# Altium PCB PCB1.PcbDoc (part 1 of 2) (continued)
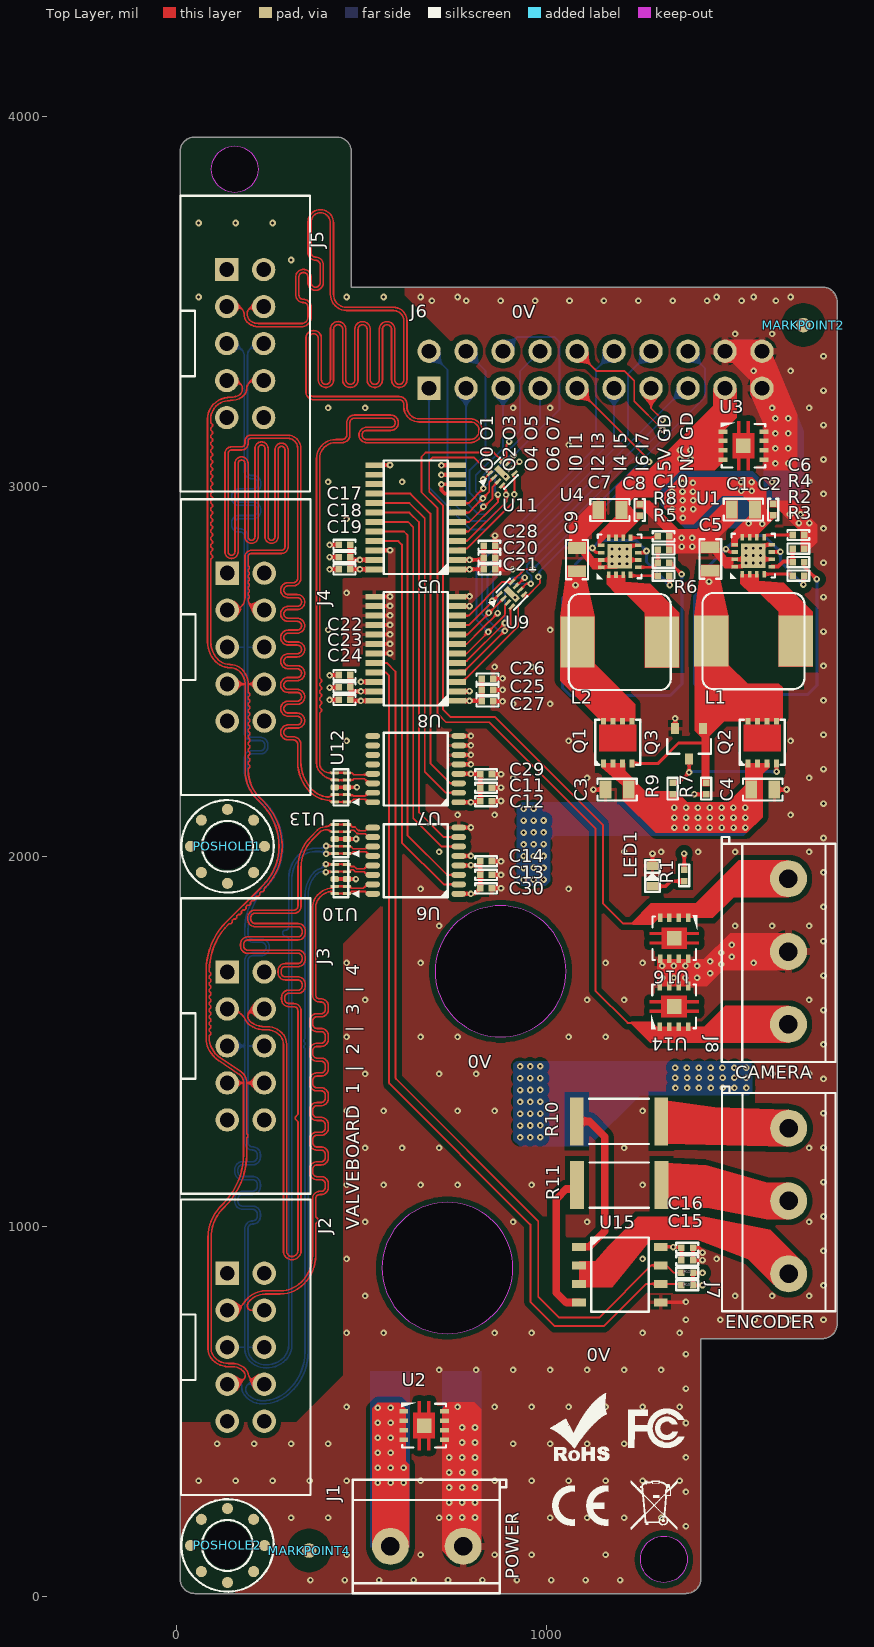
[diagram p0: Top Layer view]
## Footprints (in the part's own frame and the unit in brackets; to place one, negate y for a bottom-side part, rotate by r counter-clockwise, add the part's x,y. Pads: shape width x height; smd on the part's side, far side on the other; paste and mask are expansions set on the pad) (continued)
  rect 0.5x0.2 smd: 1(-0.595,0.6) 2(-0.595,0.2) 3(-0.595,-0.2) 4(-0.595,-0.6) 5(0.595,-0.6) 6(0.595,-0.2) 7(0.595,0.2) 8(0.595,0.6)
  rect 0.4x1.2 smd: 9(0,0)
  silkscreen extent -1.52,-0.85 0.65,0.85
TVS0701 [mm] "SON, 8-Leads, Body 3.00x3.00mm, Pitch 0.65mm, Thermal Pad 1.20x0.40mm, IPC High Density"
  rect 0.6x0.31 smd: 1(-1.4,0.975) 2(-1.4,0.325) 3(-1.4,-0.325) 4(-1.4,-0.975) 5(1.4,-0.975) 6(1.4,-0.325) 7(1.4,0.325) 8(1.4,0.975)
  rect 1x1 smd: 9(-0.003,-0.003)
  Top Layer region: 0.21,0.875 0.44,0.875 0.44,1.7 0.21,1.7
  Top Layer region: -0.44,0.875 -0.21,0.875 -0.21,1.7 -0.44,1.7
  Top Layer region: -0.21,-0.875 -0.44,-0.875 -0.44,-1.7 -0.21,-1.7
  Top Layer region: 0.44,-0.875 0.21,-0.875 0.21,-1.7 0.44,-1.7
  Top Layer region: -0.751,-0.887 0.749,-0.887 0.749,0.889 -0.751,0.889
  silkscreen extent -1.57,-1.5 1.5,1.57
TVS1401 [mm] "SON, 8-Leads, Body 3.00x3.00mm, Pitch 0.65mm, Thermal Pad 1.20x0.40mm, IPC High Density"
  rect 0.6x0.31 smd: 1(-1.4,0.975) 2(-1.4,0.325) 3(-1.4,-0.325) 4(-1.4,-0.975) 5(1.4,-0.975) 6(1.4,-0.325) 7(1.4,0.325) 8(1.4,0.975)
  rect 1x1 smd: 9(-0.003,-0.003)
  Top Layer region: -0.75,-0.887 0.75,-0.887 0.75,0.889 -0.75,0.889
  Top Layer region: 0.44,-0.875 0.21,-0.875 0.21,-1.7 0.44,-1.7
  Top Layer region: -0.21,-0.875 -0.44,-0.875 -0.44,-1.7 -0.21,-1.7
  Top Layer region: -0.44,0.875 -0.21,0.875 -0.21,1.7 -0.44,1.7
  Top Layer region: 0.21,0.875 0.44,0.875 0.44,1.7 0.21,1.7
  silkscreen extent -1.57,-1.5 1.5,1.57
WSD30L40DN [mm]
  rect 0.35x0.47 smd: D(-0.975,1.445) D(-0.325,1.445) D(0.325,1.445) D(0.975,1.445)
  rect 0.35x0.55 smd: G(0.975,-1.445) S(-0.975,-1.445) S(-0.325,-1.445) S(0.325,-1.445)
  Top Layer region: -1.3,-0.62 1.3,-0.62 1.3,1.22 -1.3,1.22
  silkscreen extent -1.55,-1.55 1.55,1.55

## Part data
C1 C2 C3 C4 C5 C6 C7 C8 C9 C10 C11 C12 C13 C14 C15 C16 C17 C18 C19 C20 C21 C22 C23 C24 C25 C26 C27 C28 C29 C30: voltage=25V, precision=5%
J1: Supplier Part Number 1=C474881, Supplier 1=LCSC, Supplier 2=LCSC, Supplier 3=LCSC, Supplier Part Number 2=C225477, Supplier Part Number 3=C20079
J2 J3 J4 J5: Supplier Part Number 1=C225520, Supplier 1=LCSC, Supplier 2=LCSC, Supplier Part Number 2=C5665
J6: Supplier Part Number 1=C124359, Supplier 1=LCSC, Supplier 2=LCSC, Supplier Part Number 2=C3405
J7 J8: Supplier Part Number 1=C474884, Supplier 1=LCSC, Supplier 2=LCSC, Supplier Part Number 2=C609572
Q3: Supplier Part Number 1=C725128, Supplier 1=LCSC
U1 U4: Supplier Part Number 1=C122479, Supplier 1=LCSC
U2 U14 U16: Supplier Part Number 1=C1849891, Supplier 1=LCSC
U3: Supplier Part Number 1=C2873147, Supplier 1=LCSC
U5 U8: Supplier Part Number 1=C7859, Supplier 1=LCSC
U6 U7: Supplier Part Number 1=C87097, Supplier 1=LCSC
U9 U11: Supplier Part Number 1=C2867469, Supplier 1=LCSC
U10 U12 U13: Supplier Part Number 1=C553132, Supplier 1=LCSC
L1 L2: Code_IEC=1005, Code_JEITA=0402, LatestRevisionDate=29-May-2009, LatestRevisionNote="IPC-7351 Footprint Added.", PackageDescription="Chip Inductor", PackageReference=0402-A, Published=8-Jun-2000, Publisher="Altium Limited"
R1 R2 R3 R4 R5 R6 R7 R8 R9 R10 R11 R12 R13: precision=1%

## Via types
v1: diameter 17.72, hole 7.87, Top Layer to Bottom Layer, tented both sides, 509 vias

## Nets (pads, with @x,y where several pads share a name; then routed paths per layer and width w, separated by ;. In a path a pad name is that pad's centre, name@x,y a point inside that pad or via, vN(x,y) a via of type N, cw(c..) or ccw(c..) an arc to the next point about the centre after c; other vN are vias at no path point)
+3.3V: C3.2 C4.2 C11.2 C12.2 C13.2 C14.2 C15.2 C16.2 C17.2 C18.2 C19.2 C22.2 C23.2 C24.2 C29.2 C30.2 Q1.S Q2.S R1.2 R9.2 R12.2 R13.2 U5.23 U5.24 U6.1 U6.4 U7.1 U7.4 U8.23 U8.24 U15.8 | length 1001.8
  Top Layer w10: C24.2@469.89,2423.68 469.89,2446.54 ; C22.2@469.89,2490.8 C23.2@469.89,2457.24 469.89,2446.54 ; C17.2@469.89,2842.75 C18.2@469.89,2809.64 ; C24.2@472.62,2420.95 v1(498.41,2420.95) U8.24@534.45,2420.95 ; U5.24@534.26,2776.53 C19.2@469.89,2776.53 C18.2@469.89,2809.64 ; U8.23@534.45,2446.54 v1(498.41,2446.54) 469.89,2446.54 ; U5.23@534.45,2801.93 477.61,2801.93 C18.2@469.89,2809.64 ; U6.1@762.8,1899.11 806.27,1899.11 C30.2@821.29,1914.14 C13.2@821.29,1950.72 821.29,1972.24 ; U6.4@762.8,1975.89 817.65,1975.89 821.29,1972.24 ; U7.1@762.8,2146.69 818.18,2146.69 C12.2@821.29,2149.8 C11.2@821.29,2185.99 C29.2@821.29,2222.18 820.01,2223.47 U7.4@762.8,2223.47 ; C14.2@821.29,1987.3 821.29,1972.24 ; U15.8@1308.93,944.94 v1@1340.81,944.94 ; v1(1342.74,944.19) 1363.13,944.19 C16.2@1364.88,942.43 C15.2@1364.88,908.67 C15.2@1364.88,906.4 ; v1@1372.03,2008.71 1372.43,2008.31 R1.2@1372.43,1964.69 ; v1(1421.87,874.5) 1421.47,874.91 R12.2@1396.38,874.91 R13.2@1396.38,841.15 v1@1422.88,841.15
  other v1: 1421.87,841.15 929.04,1240.75 956.13,1241.02 983.22,1241.28 929.04,1272.74 956.13,1273.01 983.22,1273.27 929.04,1304.73 956.13,1305 983.22,1305.26 929.04,1336.72 956.13,1336.99 983.22,1337.25 929.04,1368.71 956.13,1368.98 983.22,1369.24 1348.33,1374.89 1380.32,1374.89 1412.31,1374.89 1444.3,1374.89 1476.29,1374.89 1508.28,1374.89 1540.27,1374.89 929.04,1400.7 956.13,1400.96 983.22,1401.23 1348.06,1401.98 1380.05,1401.98 1412.04,1401.98 1444.03,1401.98 1476.02,1401.98 1508.01,1401.98 1540,1401.98 1347.8,1429.07 1379.79,1429.07 1411.78,1429.07 1443.76,1429.07 1475.75,1429.07 1507.74,1429.07 1539.73,1429.07 929.04,1432.69 956.13,1432.95 983.22,1433.22 795.84,1898.94 938.27,1936.94 965.36,1937.21 992.45,1937.47 938.27,1968.93 965.36,1969.2 992.45,1969.46 795.84,1976.84 938.27,2000.92 965.36,2001.19 992.45,2001.45 1372.03,2008.16 938.27,2032.91 965.36,2033.18 992.45,2033.44 938.27,2064.9 965.36,2065.17 992.45,2065.43 1345.96,2077.96 1377.95,2077.96 1409.94,2077.96 1441.93,2077.96 1473.92,2077.96 1505.91,2077.96 1537.9,2077.96 938.27,2096.89 965.36,2097.16 992.45,2097.42 1345.7,2105.05 1377.69,2105.05 1409.68,2105.05 1441.67,2105.05 1473.66,2105.05 1505.65,2105.05 1537.63,2105.05 938.27,2128.88 965.36,2129.15 1345.43,2132.14 1377.42,2132.14 1409.41,2132.14 1441.4,2132.14 1473.39,2132.14 1505.38,2132.14 1537.37,2132.14 795.84,2146.69 795.84,2223.47 495.93,2776.53 495.93,2801.93
+3.3V_FROM_+5V: C9.1 L2.2 Q1.D R5.2 R6.2 U4.7 U4.14 | length 1464.3
  Top Layer w8: v1(1124.45,2833.98) 1124.45,2831.68 1134.72,2821.41 U4.14@1147.58,2821.41 ; U4.7@1247.97,2821.41 1265.99,2821.41 v1(1270.5,2825.93) ; R6.2@1332.53,2759.04 1332.53,2734.34 v1(1333.37,2733.5) ; R5.2@1332.53,2794.47 1337.39,2789.61 1339.07,2789.61 v1(1365.51,2763.17)
  Bottom Layer w8: v1(1333.37,2733.5) 1270.5,2796.36 v1(1270.5,2825.93) 1241.71,2854.72 1145.2,2854.72 v1(1124.45,2833.98) 1122.43,2833.98 1078.52,2790.06 v1(1078.52,2733.68) 1043.8,2698.97 1043.8,2455.79 1064.39,2435.2 1334.39,2435.2 1366.23,2467.03 1366.23,2762.45 v1(1365.51,2763.17)
+3.3V_FROM_+12V: C5.1 L1.2 Q1.G Q2.D Q3.G R2.2 R3.2 R7.2 U1.7 U1.14 | length 1692.6
  Top Layer w8: Q1.G@1231.24,2252.06 1302.2,2252.06 1357.05,2306.91 1429.64,2306.91 ; v1(1484.94,2831.19) 1487.14,2831.19 1495.13,2823.2 U1.14@1508.77,2823.2 ; U1.7@1609.17,2823.2 1631.68,2823.2 v1(1632.27,2823.79) ; v1(1694.42,2735.05) 1694.42,2756.81 R3.2@1696.78,2759.17 ; R2.2@1696.78,2795.85 1696.78,2783.64 v1(1730.69,2749.73)
  Bottom Layer w8: v1(1694.42,2735.05) 1632.27,2797.2 v1(1632.27,2823.79) 1588.35,2867.7 1521.45,2867.7 v1(1484.94,2831.19) 1439.49,2785.75 v1(1439.49,2743.15) 1400.4,2704.06 1400.4,2466.1 1428.86,2437.64 1705.7,2437.64 1731.89,2463.83 1731.89,2748.53 v1(1730.69,2749.73)
+5V: C7.2 C8.2 C20.2 C21.2 C25.2 C26.2 C27.2 C28.2 J6.17 U3.1 U3.2 U3.3 U3.4 U4.10 U4.11 U4.12 U4.13 U5.1 U5.2 U8.1 | length 336.8
  Top Layer w10: U8.1@758.86,2420.95 823.4,2420.95 C27.2@825.09,2419.27 C25.2@825.09,2450.17 C26.2@825.09,2481.08 ; U5.1@758.86,2776.34 830,2776.34 C21.2@830.14,2776.19 830.14,2797.8 ; U5.2@758.86,2801.93 826.01,2801.93 830.14,2797.8 ; C28.2@830.14,2839.96 C20.2@830.14,2808.07 830.14,2797.8
  other v1: 792.04,2420.95 792.04,2776.34 792.04,2801.93 1361.31,3074.73 1389.65,3074.73 1360.94,3098.41 1389.28,3098.41
+12V: C1.2 C2.2 J1.1 U1.10 U1.11 U1.12 U1.13 U2.1 U2.2 U2.3 U2.4
  other v1: 543.93,307.26 578.96,307.26 613.99,307.26 543.93,347.8 578.96,347.8 613.99,347.8 543.93,388.33 578.96,388.33 543.93,428.87 578.96,428.87 543.93,469.41 578.96,469.41 543.93,509.94 578.96,509.94 1583.4,2899.02 1546.28,2900.35 1368.88,2915.39 1340.17,2939.06 1368.51,2939.06 1396.85,2939.06 1339.79,2962.74 1368.13,2962.74 1396.47,2962.74 1339.42,2986.42 1367.76,2986.42 1396.1,2986.42 1526.65,2988.56 1554.99,2988.56 1367.39,3010.1 1395.73,3010.1 1526.28,3012.24 1554.62,3012.24
CAMERA_TRIG1: J6.8 J8.1 U11.8 U14.1 U14.2 U14.3 U14.4 | length 2431.8
  Top Layer w5: v1(899.15,3121.85) 899.15,3120.88 891.6,3113.33 891.6,3080.76 U11.8@880.27,3069.43 857.9,3091.79 673.14,3091.79 662.23,3080.89 662.23,2985.2 705.79,2941.64 705.79,2385.82 728.47,2363.14 844.97,2363.14 1132.22,2075.88 1132.22,1637.24 1219.23,1550.23 1250.74,1550.23
  Bottom Layer w5: v1(899.15,3121.85) 928.52,3151.22 928.52,3311.69 J6.8@982.68,3365.85
CAMERA_TRIG2: J6.7 J8.3 U11.1 U16.1 U16.2 U16.3 U16.4 | length 2093.8
  Top Layer w5: v1(828.67,3019.22) 830.06,3019.22 U11.1@847.14,3036.3 804.92,3078.52 691.7,3078.52 683.11,3069.93 683.11,2985.88 720.55,2948.44 720.55,2397.01 740.75,2376.82 861.59,2376.82 1152.48,2085.93 1152.48,1873.78 1207.44,1818.82 1241.14,1818.82
  Bottom Layer w5: v1(828.67,3019.22) 829.45,3020 829.45,3030.58 982.68,3183.81 J6.7@982.68,3265.85
DGND: C1.1 C2.1 C3.1 C4.1 C5.2 C6.2 C7.1 C8.1 C9.2 C10.2 C11.1 C12.1 C13.1 C14.1 C15.1 C16.1 C17.1 C18.1 C19.1 C20.1 C21.1 C22.1 C23.1 C24.1 C25.1 C26.1 C27.1 C28.1 C29.1 C30.1 J1.2 J6.18 J6.19 J6.20 J8.2 LED1.1 Q3.S R4.1 R7.1 R8.1 U1.6 U1.8 U1.15 U1.16 U1.17 U2.5 U2.6 U2.7 U2.8 U3.5 U3.6 U3.7 U3.8 U4.6 U4.8 U4.15 U4.16 U4.17 U5.9 U5.10 U5.11 U5.12 U5.13 U5.22 U6.5 U6.8 U7.5 U7.6 U7.7 U7.8 U8.2 U8.11 U8.12 U8.13 U8.14 U8.15 U8.16 U8.17 U8.18 U8.19 U8.22 U9.9 U10.3 U10.8 U11.9 U12.3 U12.8 U13.3 U13.8 U14.5 U14.6 U14.7 U14.8 U15.5 U16.5 U16.6 U16.7 U16.8 | length 2372.3
  Top Layer w10: v1(413.74,2489.73) 413.91,2489.9 C22.1@438.4,2489.9 ; v1(413.74,2842.58) 413.91,2842.75 C17.1@438.4,2842.75 ; v1@413.91,2423.68 C24.1@438.4,2423.68 ; v1@413.91,2456.79 C23.1@438.4,2456.79 ; v1@413.91,2776.53 C19.1@438.4,2776.53 ; v1@413.91,2809.64 C18.1@438.4,2809.64 ; U10.8@427.9,1939.21 U10.3@460.78,1939.21 484.73,1939.21 v1(484.9,1939.05) ; U13.8@427.9,2047.43 U13.3@460.78,2047.43 485.36,2047.43 v1(485.4,2047.48) ; U12.8@427.9,2186.97 U12.3@460.78,2186.97 487.31,2186.97 v1(487.74,2187.41) ; v1@498.89,2472.07 498.96,2472.13 U8.22@534.45,2472.13 ; U5.22@534.45,2827.52 534.72,2827.78 576.93,2827.78 v1(577.19,2828.05) ; U8.19@534.72,2549.17 v1@576.93,2549.17 ; U8.18@534.72,2574.76 v1@576.93,2574.76 ; U8.17@534.72,2600.35 v1@576.93,2600.35 ; U8.16@534.72,2625.94 v1@576.93,2625.94 ; U8.15@534.72,2651.53 v1@576.93,2651.53 ; U8.14@534.72,2677.12 v1@576.93,2677.12 ; U8.13@534.72,2702.71 576.93,2702.71 v1(577.19,2702.98) ; U5.13@534.72,3058.1 576.93,3058.1 v1(577.19,3058.36) ; v1(716.12,3006.12) 716.12,2990.11 725.16,2981.06 U5.9@758.86,2981.06 ; v1(716.12,3031.71) 716.38,3031.97 U5.11@758.59,3031.97 ; v1(716.12,3057.3) 716.38,3057.57 U5.12@758.59,3057.57 ; v1@716.38,3006.38 U5.10@758.59,3006.38 ; U8.2@758.86,2446.54 792.42,2446.54 v1@793.06,2447.18 ; U8.11@758.86,2676.86 791.83,2676.86 v1(792.04,2677.06) ; U8.12@758.86,2702.45 792.42,2702.45 v1@793.06,2703.09 ; U6.5@762.8,2001.48 v1@795.71,2001.48 ; U6.8@762.8,2078.25 v1@795.71,2078.25 ; U7.5@762.8,2249.06 795.71,2249.06 v1@796.02,2249.36 ; U7.6@762.8,2274.65 v1@795.71,2274.65 ; U7.7@762.8,2300.24 v1@795.71,2300.24 ; U7.8@762.8,2325.83 v1@795.71,2325.83 ; C30.1@852.79,1914.14 v1@876.89,1914.14 ; C13.1@852.79,1950.33 v1@876.89,1950.33 ; C14.1@852.79,1986.52 876.89,1986.52 v1(877.16,1986.79) ; C12.1@852.79,2149.8 v1@876.89,2149.8 ; C11.1@852.79,2185.99 v1@876.89,2185.99 ; C29.1@852.79,2222.18 876.89,2222.18 v1(877.16,2222.45) ; C27.1@856.58,2419.27 881.37,2419.27 v1(881.7,2419.6) ; C25.1@856.58,2450.17 881.37,2450.17 v1(881.7,2450.51) ; C26.1@856.58,2481.08 881.37,2481.08 v1(881.7,2481.41) ; v1(860.91,2867.49) 861.64,2866.76 C28.1@861.64,2839.96 C20.1@861.64,2808.07 C21.1@861.64,2776.19 908,2776.19 v1(908.37,2776.56) ; v1(1126.72,2180.72) 1126.94,2180.95 C3.1@1159.49,2180.95 ; U4.16@1147.58,2782.04 1188.25,2782.04 v1(1197.77,2791.57) v1(1197.77,2811.57) ; U4.15@1147.58,2801.73 1167.93,2801.73 v1(1177.77,2811.57) v1(1197.77,2811.57) ; U4.6@1247.97,2801.73 1207.62,2801.73 v1(1197.77,2811.57) ; U4.8@1247.97,2841.1 1227.3,2841.1 v1(1217.77,2831.57) v1(1197.77,2811.57) ; LED1.1@1286.65,1974.97 v1(1286.65,2008.16) ; U15.5@1308.93,794.94 1375.86,794.94 v1(1377.01,796.09) ; v1(1347.87,2373.51) 1348.17,2373.2 Q3.S@1348.17,2345.95 ; v1(1399.8,2168.56) 1400.34,2168.02 R7.1@1431.46,2168.02 ; v1@1422.15,909.08 1421.74,908.67 C15.1@1396.38,908.67 C16.1@1396.38,942.43 1412.14,942.43 v1@1425.1,929.47 ; U1.16@1508.77,2783.83 1529.44,2783.83 v1(1538.97,2793.36) v1(1558.97,2813.36) ; U1.15@1508.77,2803.51 U1.17@1538.97,2803.51 ; U1.6@1609.17,2803.51 1589.13,2803.51 v1(1578.97,2793.36) v1(1558.97,2813.36) ; U1.8@1609.17,2842.88 1588.5,2842.88 v1(1578.97,2833.36) v1(1558.97,2813.36) ; C4.1@1616.23,2180.95 1648.78,2180.95 v1(1649,2181.17)
  other v1: 361.8,44.28 454.81,44.28 547.83,44.28 640.85,44.28 733.86,44.28 826.88,44.28 919.9,44.28 1012.92,44.28 1105.93,44.28 1198.95,44.28 460,112.6 660,112.6 860,112.6 960,112.6 1160,112.6 1376.87,189.77 310,212.6 410,212.6 710,212.6 910,212.6 1010,212.6 1110,212.6 1210,212.6 1310,212.6 736.8,213.41 771.83,213.41 806.86,213.41 736.8,253.95 771.83,253.95 806.86,253.95 1376.87,282.79 736.8,294.49 771.83,294.49 806.86,294.49 60,312.6 160,312.6 260,312.6 360,312.6 460,312.6 660,312.6 860,312.6 960,312.6 1060,312.6 1160,312.6 1260,312.6 1360,312.6 736.8,335.02 771.83,335.02 806.86,335.02 736.8,375.56 771.83,375.56 806.86,375.56 1376.87,375.81 110,412.6 210,412.6 310,412.6 410,412.6 910,412.6 1010,412.6 1110,412.6 1210,412.6 1310,412.6 771.83,416.1 806.86,416.1 771.83,456.63 806.86,456.63 1376.87,468.83 460,512.6 760,512.6 860,512.6 960,512.6 1060,512.6 1160,512.6 1260,512.6 1360,512.6 1376.87,561.84 710,612.6 810,612.6 910,612.6 1010,612.6 1110,612.6 1210,612.6 1310,612.6 1376.87,654.86 460,712.6 560,712.6 860,712.6 960,712.6 1260,712.6 1360,712.6 1376.87,747.88 1469.89,747.88 1562.91,747.88 1655.93,747.88 1748.94,747.88 510,812.6 1510,812.6 1610,812.6 1710,812.6 1748.94,840.89 1421.87,909.08 460,912.6 1260,912.6 1460,912.6 1421.87,929.47 1748.94,933.91 510,1012.6 910,1012.6 1110,1012.6 1710,1012.6 1748.94,1026.93 460,1112.6 560,1112.6 660,1112.6 760,1112.6 960,1112.6 1260,1112.6 1748.94,1119.95 510,1212.6 610,1212.6 710,1212.6 1210,1212.6 1710,1212.6 1748.94,1212.96 1748.94,1305.98 460,1312.6 560,1312.6 760,1312.6 860,1312.6 1260,1312.6 1748.94,1399 510,1412.6 710,1412.6 810,1412.6 1610,1412.6 1710,1412.6 1748.94,1492.01 460,1512.6 660,1512.6 760,1512.6 1060,1512.6 1160,1512.6 1748.94,1585.03 510,1612.6 1110,1612.6 1210,1612.6 1710,1612.6 1312.78,1672.39 1344.24,1672.39 1375.69,1672.39 1407.15,1672.39 1748.94,1678.05 1442.67,1684.57 1312.78,1704.36 1344.24,1704.36 1375.69,1704.36 1407.15,1704.36 1472.6,1708.42 460,1712.6 660,1712.6 1160,1712.6 1260,1712.6 1560,1712.6 1442.67,1716.53 1501.02,1729.22 1472.6,1740.38 1501.02,1761.19 1748.94,1771.07 710,1812.6 1510,1812.6 1610,1812.6 1710,1812.6 1748.94,1864.08 660,1912.6 1060,1912.6 877.16,1914.41 877.16,1950.6 1748.94,1957.1 795.84,2001.78 710,2012.6 1210,2012.6 1310,2012.6 1410,2012.6 1510,2012.6 1710,2012.6 1748.94,2050.12 795.84,2078.56 760,2112.6 860,2112.6 1660,2112.6 1748.94,2143.13 877.16,2150.08 877.16,2186.26 910,2212.6 1110,2212.6 1710,2212.6 1748.94,2236.15 795.84,2249.36 795.84,2274.96 795.84,2300.55 460,2312.6 1060,2312.6 1660,2312.6 795.84,2326.14 1748.94,2329.17 910,2412.6 1010,2412.6 1748.94,2422.19 413.74,2423.51 792.04,2447.18 413.74,2456.62 498.41,2472.07 860,2512.6 960,2512.6 1748.94,2515.2 577.19,2549.44 577.19,2575.03 577.19,2600.62 1748.94,2608.22 410,2612.6 1010,2612.6 577.19,2626.21 577.19,2651.8 577.19,2677.39 915.54,2700.38 1748.94,2701.24 792.04,2703.09 460,2712.6 413.74,2776.35 1177.77,2791.57 1217.77,2791.57 1558.97,2793.36 1748.94,2794.26 413.74,2809.47 1217.77,2811.57 1538.97,2813.36 1578.97,2813.36 1177.77,2831.57 1197.77,2831.57 1538.97,2833.36 1558.97,2833.36 1365.81,2837.71 1394.15,2837.71 1365.44,2861.39 1393.78,2861.39 1748.94,2887.27 1682.25,2901.3 1710.59,2901.3 460,2912.6 1658.39,2924.98 1686.73,2924.98 1748.94,2980.29 410,3012.6 610,3012.6 1610,3012.6 1710,3012.6 889.3,3027.47 1618.66,3062.85 1653.69,3062.85 1748.94,3073.31 1618.66,3103.39 1653.69,3103.39 1060,3112.6 1618.66,3143.93 1653.69,3143.93 1748.94,3166.32 1618.66,3184.46 1653.69,3184.46 410,3212.6 510,3212.6 910,3212.6 1010,3212.6 1610,3212.6 1710,3212.6 1748.94,3259.34 1560,3312.6 1660,3312.6 1748.94,3352.36 1510,3412.6 1610,3412.6 690.22,3502.45 783.24,3502.45 876.26,3502.45 969.27,3502.45 1062.29,3502.45 1155.31,3502.45 1248.33,3502.45 1341.34,3502.45 1434.36,3502.45 1527.38,3502.45 1620.39,3502.45 60,3512.6 460,3512.6 560,3512.6 660,3512.6 760,3512.6 1460,3512.6 1560,3512.6 1660,3512.6 310,3612.6 60,3712.6 160,3712.6 260,3712.6
ENCODE1: R12.1 U8.20 U15.7 | length 2393.9
  Top Layer w5: U8.20@534.45,2523.31 568.68,2523.31 591.97,2500.02 591.97,1402.35 ccw(c596.97,1402.39) 593.41,1398.89 977.75,1014.55 977.75,810.31 1034.45,753.61 1142.35,753.61 1283.68,894.94 U15.7@1308.93,894.94 1324.05,894.94 1344.08,874.91 R12.1@1364.88,874.91
ENCODE2: R13.1 U8.21 U15.6 | length 2378.4
  Top Layer w5: U8.21@534.45,2497.72 565.4,2497.72 574.84,2488.28 574.84,1388.99 ccw(c579.84,1388.99) 576.28,1385.47 956.69,1005.06 956.69,796.43 1022.46,730.66 1155.28,730.66 1269.56,844.94 U15.6@1308.93,844.94 1361.09,844.94 R13.1@1364.88,841.15
INPUT0: J6.9 U8.3 U9.5 | length 1111.6
  Top Layer w5: U8.3@758.86,2472.13 774.61,2472.13 779.98,2477.51 779.98,2479.13 784.7,2483.85 784.97,2483.85 788.48,2487.36 788.48,2487.63 923.83,2622.99 923.83,2679.82 946.27,2702.26 ; U9.5@939.73,2708.8 946.27,2702.26 ; v1(978.32,2755.73) 978.32,2752.29 982.66,2747.95 982.66,2738.65 946.27,2702.26 ; J6.9@1082.68,3265.85 1272.19,3076.34 1272.19,3075.99 1277.69,3070.49 v1(1277.69,3067.05)
  Bottom Layer w5: v1(978.32,2755.73) 980.76,2758.16 980.76,2770.11 v1(1277.69,3067.05)
INPUT1: J6.10 U8.5 U9.6 | length 1298.7
  Top Layer w5: U8.5@758.86,2523.31 764.23,2528.69 784.9,2528.69 v1(887.57,2631.35) ; U9.6@928.6,2719.94 946,2737.34 v1(957.64,2737.34) ; J6.10@1082.68,3365.85 1136.25,3312.28 1211.37,3312.28 1237.27,3286.37 1237.27,3230.86 v1(1313.76,3154.37)
  Bottom Layer w5: v1(887.57,2631.35) 887.57,2719.97 904.94,2737.34 v1(957.64,2737.34) ; v1@960.08,2739.77 960.08,2757.25 947.02,2770.3 947.02,2787.64 v1(1313.76,3154.37)
INPUT2: J6.11 U8.4 U9.4 | length 1087.6
  Top Layer w5: U8.4@758.86,2497.72 764.23,2503.1 780.33,2503.1 887.36,2610.14 887.96,2610.14 902.43,2624.6 902.43,2669.46 906.6,2673.64 U9.4@906.6,2675.67
  Bottom Layer w5: v1(887.64,2610.14) 887.36,2610.41 870.73,2610.41 826.07,2655.08 826.07,2772.52 1182.68,3129.13 J6.11@1182.68,3265.85
INPUT3: J6.12 U8.6 U9.3 | length 1134.7
  Top Layer w5: U8.6@758.86,2548.9 784.11,2548.9 887.64,2652.44 887.64,2678.98 U9.3@895.47,2686.81
  Bottom Layer w5: v1(842.69,2607.49) 811.06,2639.12 811.06,2784.25 1134.41,3107.6 1134.41,3317.58 J6.12@1182.68,3365.85
INPUT4: J6.13 U8.7 U9.7 | length 1021.9
  Top Layer w5: U8.7@758.86,2574.49 784.62,2574.49 824.34,2614.21 v1(868.19,2658.09) ; U9.7@917.46,2731.07 918.5,2731.07 v1(941.31,2753.88) ; J6.13@1293.04,3265.85 J6.13@1282.68,3265.85 1282.68,3211.98 v1(1314.07,3180.59)
  Bottom Layer w5: v1(868.19,2658.09) 868.21,2714.98 907.11,2753.88 v1(941.31,2753.88) 930.69,2764.5 930.69,2797.21 v1(1314.07,3180.59)
INPUT5: J6.14 U8.8 U9.2 | length 1059.6
  Top Layer w5: U8.8@758.86,2600.08 786.47,2600.08 U9.2@884.33,2697.94
  Bottom Layer w5: v1(844.12,2658.61) 840.58,2662.15 840.58,2667.67 840.35,2667.9 840.35,2683.08 838.49,2684.94 838.49,2697.25 840.35,2699.12 840.35,2759.66 1220.17,3139.48 1220.17,3303.35 J6.14@1282.68,3365.85
INPUT6: J6.15 U8.9 U9.1 | length 947.6
  Top Layer w5: U8.9@758.86,2625.67 789.79,2625.67 853.35,2689.23 v1(853.35,2691.1) ; v1@855.21,2691.1 U9.1@873.2,2709.08
  Bottom Layer w5: v1(853.35,2691.1) 855.21,2692.96 855.21,2747.8 1373.26,3265.85 J6.15@1382.68,3265.85
INPUT7: J6.16 U8.10 U9.8 | length 1057.4
  Top Layer w5: U8.10@758.86,2651.27 789.92,2651.27 880.86,2742.21 U9.8@906.32,2742.21 940.9,2776.78 v1(963.46,2776.78)
  Bottom Layer w5: v1(963.46,2776.78) 1428.67,3241.99 1428.67,3319.86 J6.16@1382.68,3365.85
ISOGND1: J7.1 U15.2 U15.3
NetC6_1: C6.1 U1.9 | length 79.1
  Top Layer w8: U1.9@1588.5,2863.55 1594.15,2869.21 C6.1@1665.29,2869.21
NetC10_1: C10.1 U4.9 | length 75.2
  Top Layer w8: U4.9@1227.3,2861.77 1297.48,2861.77 C10.1@1301.04,2865.32
NetJ7_2: J7.2 R11.1
NetJ7_3: J7.3 R10.1
NetL1_1: L1.1 U1.1 U1.2 U1.3
NetL2_1: L2.1 U4.1 U4.2 U4.3
NetLED1_2: LED1.2 R1.1 | length 91.3
  Top Layer w10: LED1.2@1286.65,1919.85 1322.05,1919.85 1335.39,1933.2 R1.1@1372.43,1933.2
NetQ2_G: Q2.G Q3.D R9.1 | length 351.7
  Top Layer w8: R9.1@1341.17,2199.51 1357.48,2199.51 v1(1385.58,2227.61) Q3.D@1385.58,2263.28 ; Q2.G@1621.75,2252.06 1621.91,2251.9 1621.91,2229.69 v1(1622.07,2229.53)
  Bottom Layer w8: v1(1385.58,2227.61) 1387.44,2229.46 1394.31,2229.46 1394.37,2229.53 v1(1622.07,2229.53)
NetR2_1: R2.1 R4.2 U1.5 | length 99.2
  Top Layer w10: U1.5@1609.17,2783.83 1626.28,2783.83 1640.01,2797.55 1663.59,2797.55 R2.1@1665.29,2795.85 R4.2@1665.29,2832.53
NetR3_1: R3.1 U1.4 | length 78.4
  Top Layer w8: U1.4@1588.5,2763.16 1661.3,2763.16 R3.1@1665.29,2759.17
NetR5_1: R5.1 R8.2 U4.5 | length 93.6
  Top Layer w8: U4.5@1247.97,2782.04 1288.61,2782.04 R5.1@1301.04,2794.47 R8.2@1301.04,2829.89
NetR6_1: R6.1 U4.4 | length 74.7
  Top Layer w8: U4.4@1227.3,2761.37 1229.63,2759.04 R6.1@1301.04,2759.04
NetR10_2: R10.2 U15.1 | length 435.5
  Top Layer w20: R10.2@1081.79,1284.33 1116.03,1284.33 1157.65,1242.71 1157.65,986.84 1115.75,944.94 U15.1@1088.45,944.94
NetR11_2: R11.2 U15.4 | length 394.1
  Top Layer w20: R11.2@1082.7,1101.67 1054,1101.67 1026.07,1073.74 1026.07,821.03 1052.16,794.94 U15.4@1088.45,794.94
OUTPUT0: J6.1 U5.3 U11.5 | length 885.2
  Top Layer w5: U5.3@758.86,2827.52 764.23,2832.89 785.42,2832.89 913.08,2960.55 v1(913.08,2978.98) 913.68,2979.58 913.68,3025.64 909.5,3029.81 909.5,3031.84 U11.5@913.68,3036.02
  Bottom Layer w5: J6.1@682.68,3265.85 682.68,2996.57 795.51,2883.74 836.26,2883.74 913.08,2960.55 v1(913.08,2978.98)
OUTPUT1: J6.2 U5.4 U11.4 | length 867.1
  Top Layer w5: U5.4@758.86,2853.11 785.72,2853.11 892.07,2959.45 v1@892.07,2978.08 ; U11.4@880.55,3002.89 890.55,2992.89 890.55,2978.31 v1(890.78,2978.08)
  Bottom Layer w5: J6.2@682.68,3365.85 732.56,3315.97 732.56,2971.06 796.44,2907.17 839.61,2907.17 892.07,2959.63 892.07,2976.79 v1(890.78,2978.08)
OUTPUT2: J6.3 U5.5 U11.6 | length 776
  Top Layer w5: U5.5@758.86,2878.7 789.23,2878.7 868.8,2958.27 v1(868.8,2978.52) ; J6.3@782.68,3259.99 J6.3@782.68,3265.85 ; U11.6@902.54,3047.16 920.16,3064.77 924.28,3064.77 v1@924.28,3068.22
  Bottom Layer w5: J6.3@782.68,3265.85 782.68,2957.59 815.13,2925.13 835.66,2925.13 868.8,2958.27 868.8,2979.22 861.22,2986.81 861.22,3025.17 900.83,3064.77 924.28,3064.77 v1(926.72,3067.21)
OUTPUT3: J6.4 U5.6 U11.3 | length 649.6
  Top Layer w5: U5.6@758.86,2904.29 790.97,2904.29 853.94,2967.26 853.94,2998.56 U11.3@869.41,3014.03
  Bottom Layer w5: J6.4@782.68,3365.85 835.28,3313.25 835.28,3087.7 792.25,3044.66 792.25,2983.02 829.48,2945.8 v1(829.48,2945.62)
OUTPUT4: J6.5 U5.7 U11.2 | length 490.8
  Top Layer w5: U5.7@758.86,2929.88 789.72,2929.88 809.16,2949.32 845.44,2985.6 845.44,3012.33 U11.2@858.28,3025.16
  Bottom Layer w5: v1(828.22,2968.07) 808.97,2987.31 808.97,3030.32 882.68,3104.02 J6.5@882.68,3265.85
OUTPUT5: J6.6 U5.8 U11.7 | length 783.6
  Top Layer w5: U5.8@758.86,2955.47 790.04,2955.47 v1(829.78,2995.2) ; U11.7@891.41,3058.29 891.41,3058.43 909.39,3076.41 909.39,3082.65 v1(911.82,3085.08)
  Bottom Layer w5: v1(829.78,2995.2) 844.29,3009.72 844.29,3027.42 899.52,3082.65 902.53,3082.65 909.39,3082.65 1035.61,3208.87 1035.61,3390.44 1021.57,3404.48 921.31,3404.48 J6.6@882.68,3365.85
SCLK: U5.19 U6.6 | length 1052.4
  Top Layer w5: U5.19@534.45,2904.29 626.01,2904.29 640.12,2890.17 640.12,2103.72 716.78,2027.07 U6.6@762.8,2027.07
SCLK_N: J2.5 J3.5 J4.5 J5.5 U6.12 U13.1 U13.10 | length 5273.2
  Top Layer w4.52: v1(404.34,2007.3) cw(c406.19,2005.45) 406.19,2008.06 U13.10@427.9,2008.06 U13.1@460.78,2008.06 461.79,2009.08 474.33,2009.08 477.8,2012.55 512.79,2012.55 516.55,2008.79 516.55,2006.66 521.74,2001.48 U6.12@530.51,2001.48 ; U13.1@460.78,2008.06 U13.1@460.87,2008.12
  Bottom Layer w4.52: J5.5@135.7,3386.67 cw(c135.7,3328.36) 175.66,3370.83 cw(c135.7,3328.36) 175.73,3370.77 cw(c157.9,3352.37) 183.52,3352.51 183.52,3047.53 183.52,3041.01 ccw(c203.05,3041.01) 203.05,3021.48 208.19,3021.48 cw(c208.19,3010.48) 219.2,3010.48 219.2,3004.97 cw(c208.19,3004.97) 208.19,2993.96 168.72,2993.96 ccw(c168.72,2974.43) 149.2,2974.43 149.2,2968.93 ccw(c168.72,2968.93) 168.72,2949.4 208.19,2949.4 cw(c208.19,2938.39) 219.2,2938.39 219.2,2932.89 cw(c208.19,2932.89) 208.19,2921.88 168.72,2921.88 ccw(c168.72,2902.35) 149.2,2902.35 149.2,2896.85 ccw(c168.72,2896.85) 168.72,2877.32 172.51,2877.32 cw(c172.51,2866.31) 183.52,2866.31 183.52,2835.04 183.52,2339.58 183.52,2333.06 ccw(c203.05,2333.06) 203.05,2313.53 227.3,2313.53 cw(c227.3,2302.52) 238.31,2302.52 238.31,2297.02 cw(c227.3,2297.02) 227.3,2286.01 203.05,2286.01 ccw(c203.05,2266.48) 183.52,2266.48 183.52,2240.28 183.52,2234.96 ccw(c292.04,2234.96) 215.3,2158.22 232.84,2140.68 ; J2.5@137.25,673.54 183.33,673.54 ccw(c183.33,675.35) 184.55,674.02 ; J3.5@137.25,1487.92 184.55,1487.92 ; J4.5@137.25,2566.08 183.19,2566.08 183.42,2566.31 ; 232.86,2140.67 cw(c121,2028.7) 279.27,2028.83 cw(c128.53,2028.7) 235.17,1922.17 ccw(c357.09,1800.08) 184.55,1800.16 184.55,1797.15 184.55,1796.76 184.55,1790.63 ccw(c206.83,1790.63) 206.83,1768.35 228.83,1768.35 cw(c228.83,1754.59) 228.83,1740.83 206.83,1740.83 ccw(c206.83,1718.55) 184.55,1718.55 184.55,1687.23 184.55,1487.92 ; v1(404.34,2007.3) ccw(c389.01,1991.97) 389.01,2013.65 374.26,2013.65 ccw(c374.26,1958.75) 335.44,1997.57 ccw(c392.22,1940.79) 311.92,1940.79 311.92,678.98 cw(c255.93,678.98) 296.15,640.03 295.55,639.4 cw(c242.41,692.48) 295.47,639.33 cw(c242.41,692.48) 242.33,617.38 cw(c242.38,679.75) 198.39,635.53 cw(c231.43,668.79) 184.55,668.8 184.55,674.02 ; 184.55,674.02 184.55,947.37 184.55,993.93 cw(c205.68,993.93) 205.68,1015.06 205.8,1015.06 ccw(c205.8,1027.66) 218.41,1027.66 218.41,1033.97 ccw(c205.8,1033.97) 205.8,1046.58 178.56,1046.58 cw(c178.56,1067.71) 157.43,1067.71 157.43,1074.01 cw(c178.56,1074.01) 178.56,1095.14 205.8,1095.14 ccw(c205.8,1107.75) 218.41,1107.75 218.41,1114.05 ccw(c205.8,1114.05) 205.8,1126.66 178.56,1126.66 cw(c178.56,1147.79) 157.43,1147.79 157.43,1154.09 cw(c178.56,1154.09) 178.56,1175.22 205.8,1175.22 ccw(c205.8,1187.83) 218.41,1187.83 218.41,1194.13 ccw(c205.8,1194.13) 205.8,1206.74 205.68,1206.74 cw(c205.68,1227.87) 184.55,1227.87 184.55,1252.75 184.55,1487.92
SCLK_P: J2.6 J3.6 J4.6 J5.6 U6.11 U13.2 U13.9 | length 5281
  Top Layer w4.52: v1(404.34,2028.51) ccw(c406.19,2030.36) 406.19,2027.75 U13.9@427.9,2027.75 455.95,2027.75 ccw(c455.95,2029.54) U13.2@457.22,2028.27 ; U13.2@460.78,2027.75 462.45,2026.07 472.15,2026.07 477.15,2021.07 496.55,2021.07 510.44,2021.07 516.44,2027.07 U6.11@530.51,2027.07
  Bottom Layer w4.52: 192.04,3355.35 192.04,3047.53 192.04,3041.01 ccw(c203.05,3041.01) 203.05,3030 208.19,3030 cw(c208.19,3010.48) 227.72,3010.48 227.72,3004.97 cw(c208.19,3004.97) 208.19,2985.44 168.72,2985.44 ccw(c168.72,2974.43) 157.72,2974.43 157.72,2968.93 ccw(c168.72,2968.93) 168.72,2957.92 208.19,2957.92 cw(c208.19,2938.39) 227.72,2938.39 227.72,2932.89 cw(c208.19,2932.89) 208.19,2913.36 168.72,2913.36 ccw(c168.72,2902.35) 157.72,2902.35 157.72,2896.85 ccw(c168.72,2896.85) 168.72,2885.84 172.51,2885.84 cw(c172.51,2866.31) 192.04,2866.31 192.04,2835.04 192.04,2565.58 ; 192.04,3355.38 cw(c215.66,3355.26) 199.21,3372.22 cw(c235.7,3333.38) 199.32,3372.32 cw(c235.7,3333.38) J5.6@235.7,3386.67 ; J2.6@218.52,673.37 193.07,673.37 ; J2.6@218.52,673.54 J2.6@237.25,673.54 ; J2.6@237.25,673.37 J2.6@255.57,673.37 ; J3.6@237.25,1487.92 193.07,1487.92 ; J4.6@237.25,2566.08 229.84,2566.08 cw(c227.98,2569.31) 227.98,2565.58 192.04,2565.58 ; 241.11,1916.06 ccw(c357.09,1800.08) 193.07,1800.29 193.07,1797.15 193.07,1790.63 ccw(c206.83,1790.63) 206.83,1776.87 228.83,1776.87 cw(c228.83,1754.59) 228.83,1732.31 206.83,1732.31 ccw(c206.83,1718.55) 193.07,1718.55 193.07,1687.23 193.07,1487.92 ; 241.14,1916.09 ccw(c128.53,2028.7) 287.79,2028.78 ccw(c121,2028.7) 238.94,2146.64 238.87,2146.71 221.33,2164.25 cw(c292.04,2234.96) 192.04,2234.96 192.04,2240.28 192.04,2266.48 cw(c203.05,2266.48) 203.05,2277.49 227.3,2277.49 ccw(c227.3,2297.02) 246.83,2297.02 246.83,2302.52 ccw(c227.3,2302.52) 227.3,2322.05 203.05,2322.05 cw(c203.05,2333.06) 192.04,2333.06 192.04,2339.58 192.04,2565.58 ; v1(404.34,2028.51) cw(c389.01,2043.84) 389.01,2022.17 374.26,2022.17 ccw(c374.26,1958.75) 329.42,2003.59 ccw(c392.22,1940.79) 303.4,1940.79 303.4,1828.2 303.4,1809.42 cw(c295.14,1809.42) 295.14,1801.16 ccw(c295.14,1792.9) 286.88,1792.9 ccw(c295.14,1792.9) 295.14,1784.64 cw(c295.14,1776.38) 303.4,1776.38 303.4,1725.76 303.4,678.98 cw(c255.93,678.98) 289.45,645.37 cw(c242.41,692.5) 242.36,625.91 cw(c242.34,679.72) 204.33,641.64 cw(c231.43,668.79) 193.07,668.64 cw(c231.43,668.79) 193.07,668.7 193.07,673.37 ; 193.07,673.37 193.07,947.37 193.07,993.93 cw(c205.68,993.93) 205.68,1006.54 205.8,1006.54 ccw(c205.8,1027.66) 226.93,1027.66 226.93,1033.97 ccw(c205.8,1033.97) 205.8,1055.1 178.56,1055.1 cw(c178.56,1067.71) 165.95,1067.71 165.95,1074.01 cw(c178.56,1074.01) 178.56,1086.62 205.8,1086.62 ccw(c205.8,1107.75) 226.93,1107.75 226.93,1114.05 ccw(c205.8,1114.05) 205.8,1135.18 178.56,1135.18 cw(c178.56,1147.79) 165.95,1147.79 165.95,1154.09 cw(c178.56,1154.09) 178.56,1166.7 205.8,1166.7 ccw(c205.8,1187.83) 226.93,1187.83 226.93,1194.13 ccw(c205.8,1194.13) 205.8,1215.26 205.68,1215.26 cw(c205.68,1227.87) 193.07,1227.87 193.07,1252.75 193.07,1487.92
SDATA1: U5.21 U6.2 | length 1084.9
  Top Layer w5: U5.21@534.45,2853.11 560.31,2853.11 560.55,2852.87 599.84,2852.87 609.35,2843.36 609.35,2037.66 722.3,1924.7 U6.2@762.8,1924.7